# KiCad board TRX055.01.01.PB.00.00.kicad_pcb (continued)
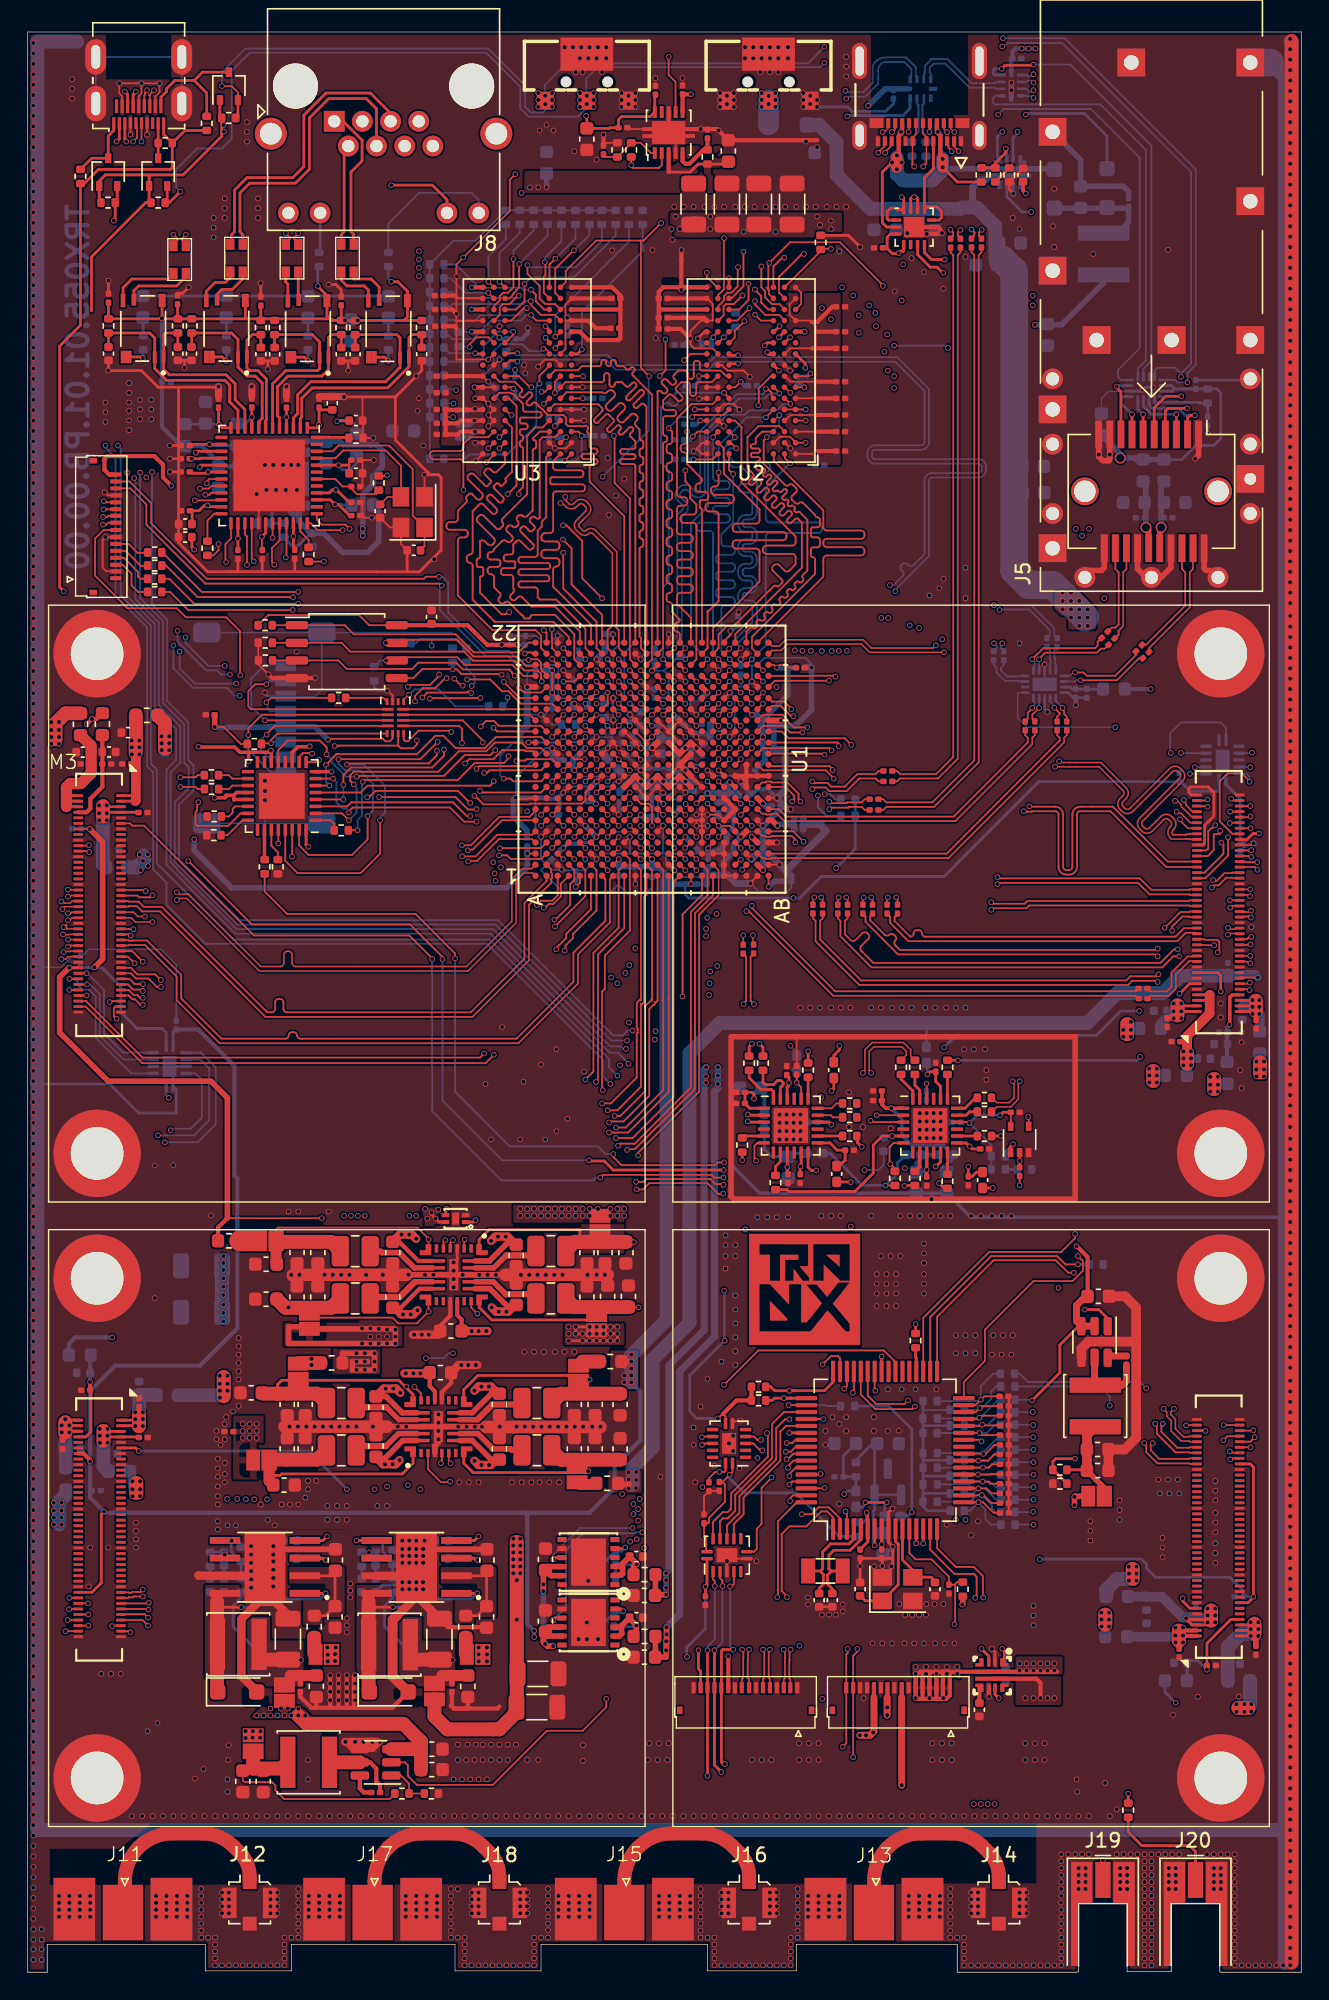
[diagram p0: board, top side]
## Routing (per net, layer and track width the routed paths; a pad name or vN(x,y) marks a point on that pad's centre or on a via; arc(x,y) is an arc through that point) (continued)
  In4.Cu w0.127: v1(57.25,119.9) v1(52.03,119.9) 45.34,119.9 arc(45.26,119.87) 45.23,119.78 arc(45.19,119.7) 45.11,119.67 44.74,119.67 arc(44.66,119.7) 44.63,119.78 44.63,120.02 arc(44.59,120.1) 44.51,120.13 44.14,120.13 arc(44.06,120.1) 44.03,120.02 44.03,119.78 arc(43.99,119.7) 43.91,119.67 43.54,119.67 arc(43.46,119.7) 43.43,119.78 43.43,120.02 arc(43.39,120.1) 43.31,120.13 42.94,120.13 arc(42.86,120.1) 42.83,120.02 42.83,119.78 arc(42.79,119.7) 42.71,119.67 42.34,119.67 arc(42.26,119.7) 42.23,119.78 42.23,120.02 arc(42.19,120.1) 42.11,120.13 41.74,120.13 arc(41.66,120.1) 41.63,120.02 41.63,119.78 arc(41.59,119.7) 41.51,119.67 41.14,119.67 arc(41.06,119.7) 41.03,119.78 41.03,120.02 arc(40.99,120.1) 40.91,120.13 40.54,120.13 arc(40.46,120.1) 40.43,120.02 40.43,119.78 arc(40.39,119.7) 40.31,119.67 39.94,119.67 arc(39.86,119.7) 39.83,119.78 39.83,120.02 arc(39.79,120.1) 39.71,120.13 39.34,120.13 arc(39.26,120.1) 39.23,120.02 39.23,119.78 arc(39.19,119.7) 39.11,119.67 38.74,119.67 arc(38.66,119.7) 38.63,119.78 arc(38.59,119.87) 38.51,119.9 38.14,119.9 arc(38.06,119.87) 38.03,119.78 arc(37.99,119.7) 37.91,119.67 37.54,119.67 arc(37.46,119.7) 37.43,119.78 arc(37.39,119.87) 37.31,119.9 36.01,119.9
  Bottom w0.127: R13.1 30.72,119.05 30.82,118.95 32.19,118.95 32.63,119.38 35.45,119.38 v1(35.97,119.9)
/ZynqDDR/DDR_A13: length 89.3
  Top w0.127: v1(38.03,123.46) 37.61,123.05 37.61,121.4 ; v1(54.53,123.53) 54.38,123.53 53.75,122.9 U2.T3
  Top w0.2: U1.F19 v1(40.22,93.03)
  In2.Cu w0.127: v1(38.03,123.46) 38.27,123.7 50.17,123.7 50.82,124.35 53.71,124.35 v1(54.53,123.53)
  In4.Cu w0.127: v1(40.22,93.03) 40.63,93.43 40.63,93.95 40.88,94.2 41.19,94.2 41.44,94.45 41.44,94.75 41.93,95.25 42.65,95.25 42.8,95.4 42.8,96.35 46.75,100.3 50.45,100.3 54.77,104.62 55,104.62 57.36,106.98 arc(57.43,107.15) 57.36,107.32 56.25,108.43 arc(56.18,108.6) 56.25,108.77 56.34,108.85 arc(56.51,108.92) 56.67,108.85 59.23,106.29 arc(59.4,106.22) 59.57,106.29 59.66,106.38 arc(59.73,106.55) 59.66,106.72 57.24,109.13 arc(57.17,109.3) 57.24,109.47 57.33,109.56 arc(57.5,109.63) 57.66,109.56 60.08,107.14 arc(60.25,107.07) 60.42,107.14 60.51,107.23 arc(60.58,107.39) 60.51,107.56 59.4,108.67 arc(59.33,108.84) 59.4,109.01 62.85,112.47 62.85,118.65 59,122.5 55.56,122.5 v1(54.53,123.53)
  Bottom w0.127: v1(38.03,123.46) 39.48,124.92 R32.1 ; U1.F19 v1(40.22,93.03)
/ZynqDDR/DDR_A14: length 91.8
  Top w0.127: v1(34,121.8) U3.T7 34.41,121.4
  Top w0.2: U1.G19 v1(41,93.8) ; U2.T7 v1(50.55,122.05)
  In2.Cu w0.1: v1(41,93.8) 41.4,94.21 41.4,95.35 40.9,95.85 40.9,102.9 41.85,103.85 43.2,103.85
  In2.Cu w0.127: 43.2,103.85 46.9,107.55 53.33,107.55 arc(53.5,107.62) 53.57,107.79 53.57,109.89 arc(53.64,110.06) 53.81,110.13 53.93,110.13 arc(54.1,110.06) 54.17,109.89 54.17,107.79 arc(54.24,107.62) 54.41,107.55 55.15,108.29 arc(55.32,108.36) 55.49,108.29 55.63,108.15 arc(55.8,108.08) 55.97,108.15 56.06,108.23 arc(56.13,108.4) 56.06,108.57 55.33,109.3 arc(55.26,109.47) 55.33,109.64 55.41,109.72 arc(55.58,109.8) 55.75,109.72 56,109.48 arc(56.17,109.41) 56.34,109.48 56.8,109.94 56.8,110.62 arc(56.83,110.71) 56.92,110.74 arc(57,110.77) 57.03,110.85 57.03,111.22 arc(57,111.31) 56.92,111.34 56.64,111.34 arc(56.52,111.39) 56.47,111.5 56.47,111.78 arc(56.52,111.89) 56.64,111.94 56.92,111.94 arc(57,111.97) 57.03,112.06 57.03,112.42 arc(57,112.51) 56.92,112.54 56.64,112.54 arc(56.52,112.59) 56.47,112.7 56.47,112.97 arc(56.52,113.09) 56.64,113.14 56.92,113.14 arc(57,113.17) 57.03,113.25 57.03,113.62 arc(57,113.71) 56.92,113.74 56.58,113.74 arc(56.43,113.8) 56.37,113.95 56.37,114.12 arc(56.43,114.28) 56.58,114.34 56.92,114.34 arc(57,114.37) 57.03,114.45 57.03,114.83 arc(57,114.91) 56.92,114.94 arc(56.83,114.97) 56.8,115.06 56.8,115.42 arc(56.83,115.51) 56.92,115.54 arc(57,115.57) 57.03,115.66 57.03,116.03 arc(57,116.11) 56.92,116.14 arc(56.83,116.17) 56.8,116.25 56.8,116.62 arc(56.83,116.71) 56.92,116.74 arc(57,116.77) 57.03,116.85 57.03,117.22 arc(57,117.31) 56.92,117.34 56.36,117.34 arc(56.19,117.41) 56.12,117.58 56.12,117.7 arc(56.19,117.87) 56.36,117.94 56.92,117.94 arc(57,117.97) 57.03,118.06 57.03,118.42 arc(57,118.51) 56.92,118.54 56.21,118.54 arc(56.04,118.61) 55.97,118.78 55.97,118.9 arc(56.04,119.07) 56.21,119.14 56.56,119.14 arc(56.73,119.21) 56.8,119.38 56.12,120.06 arc(55.95,120.13) 55.78,120.06 54.68,118.97 arc(54.51,118.9) 54.34,118.97 54.26,119.05 arc(54.19,119.22) 54.26,119.39 55.84,120.97 arc(55.91,121.14) 55.84,121.31 55.75,121.39 arc(55.58,121.46) 55.41,121.39 53.45,119.43 arc(53.28,119.36) 53.11,119.43 53.02,119.51 arc(52.95,119.68) 53.02,119.85 54.51,121.33 arc(54.58,121.5) 54.51,121.67 54.13,122.05 v1(50.55,122.05) 35.39,122.05 35.12,121.79 34.01,121.79 v1(34,121.8)
  Bottom w0.127: 34,121.92 v1(34,121.8) 34.01,121.81 34.01,123.86 35.47,125.32 R34.1
/ZynqDDR/DDR_BA0: length 97
  Top w0.127: U1.L16 v1(44.2,91.4) ; 38.41,118.2 38.06,117.85 v1(38.02,117.85)
  Top w0.2: U2.M2 v1(54.15,117.8)
  In2.Cu w0.127: v1(44.2,91.4) 45.4,92.6 45.4,93.95 45.15,94.2 45.15,97.45 45.63,97.93 arc(45.78,98) 45.93,97.93 46.09,97.77 arc(46.24,97.71) 46.39,97.77 46.46,97.84 arc(46.52,97.99) 46.46,98.14 46.3,98.3 arc(46.24,98.45) 46.3,98.6 46.37,98.67 arc(46.52,98.73) 46.66,98.67 46.83,98.5 arc(46.98,98.44) 47.12,98.5 47.2,98.58 arc(47.26,98.73) 47.2,98.87 47.03,99.04 arc(46.97,99.18) 47.03,99.33 47.11,99.41 arc(47.25,99.47) 47.4,99.41 47.56,99.24 arc(47.71,99.18) 47.86,99.24 47.93,99.31 arc(47.99,99.46) 47.93,99.61 47.77,99.77 arc(47.71,99.92) 47.77,100.07 47.84,100.14 arc(47.99,100.2) 48.13,100.14 48.3,99.98 arc(48.45,99.91) 48.59,99.98 48.67,100.05 arc(48.73,100.2) 48.67,100.34 48.5,100.51 arc(48.44,100.66) 48.5,100.8 48.58,100.88 arc(48.72,100.94) 48.87,100.88 49.04,100.71 arc(49.18,100.65) 49.33,100.71 49.4,100.78 arc(49.46,100.93) 49.4,101.08 49.24,101.24 arc(49.18,101.39) 49.24,101.54 49.31,101.61 arc(49.46,101.67) 49.61,101.61 49.77,101.45 arc(49.92,101.39) 50.07,101.45 50.14,101.52 arc(50.2,101.67) 50.14,101.81 49.97,101.98 arc(49.91,102.13) 49.97,102.27 50.05,102.35 arc(50.19,102.41) 50.34,102.35 50.51,102.18 arc(50.65,102.12) 50.8,102.18 50.87,102.25 arc(50.94,102.4) 50.87,102.55 50.49,102.93 arc(50.46,103) 50.49,103.07 50.72,103.3 arc(50.79,103.33) 50.86,103.3 arc(50.93,103.27) 51,103.3 51.89,103.3 arc(52.04,103.24) 52.1,103.09 52.1,103.06 arc(52.16,102.91) 52.31,102.85 52.41,102.85 arc(52.56,102.91) 52.62,103.06 52.62,103.09 arc(52.68,103.24) 52.83,103.3 52.93,103.3 arc(53.08,103.24) 53.14,103.09 53.14,103.06 arc(53.2,102.91) 53.35,102.85 53.45,102.85 arc(53.6,102.91) 53.66,103.06 53.66,103.09 arc(53.72,103.24) 53.87,103.3 53.97,103.3 arc(54.12,103.24) 54.18,103.09 54.18,103.06 arc(54.24,102.91) 54.39,102.85 54.49,102.85 arc(54.64,102.91) 54.7,103.06 54.7,103.47 arc(54.75,103.6) 54.88,103.65 55.05,103.65 arc(55.17,103.6) 55.22,103.47 55.22,103.06 arc(55.28,102.91) 55.43,102.85 55.53,102.85 arc(55.68,102.91) 55.74,103.06 55.74,103.47 arc(55.79,103.6) 55.92,103.65 56.09,103.65 arc(56.21,103.6) 56.26,103.47 56.26,103.06 arc(56.32,102.91) 56.47,102.85 56.57,102.85 arc(56.72,102.91) 56.78,103.06 56.78,103.47 arc(56.83,103.6) 56.96,103.65 57.13,103.65 arc(57.25,103.6) 57.3,103.47 57.3,103.06 arc(57.36,102.91) 57.51,102.85 57.61,102.85 arc(57.76,102.91) 57.82,103.06 57.82,103.09 arc(57.88,103.24) 58.03,103.3 58.6,103.3 58.89,103.59 arc(58.95,103.73) 58.89,103.88 58.72,104.05 arc(58.66,104.19) 58.72,104.34 58.8,104.41 arc(58.94,104.48) 59.09,104.41 59.54,103.96 arc(59.69,103.9) 59.83,103.96 59.91,104.05 arc(59.97,104.19) 59.91,104.33 59.46,104.78 arc(59.4,104.93) 59.46,105.08 59.53,105.15 arc(59.68,105.21) 59.83,105.15 60.28,104.7 arc(60.42,104.64) 60.56,104.7 60.65,104.78 arc(60.71,104.92) 60.65,105.06 arc(60.59,105.21) 60.65,105.35 61.05,105.75 61.05,106.41 arc(61.11,106.56) 61.26,106.62 61.34,106.62 arc(61.49,106.68) 61.55,106.83 61.55,106.93 arc(61.49,107.08) 61.34,107.14 60.61,107.14 arc(60.46,107.2) 60.4,107.35 60.4,107.45 arc(60.46,107.6) 60.61,107.66 61.34,107.66 arc(61.49,107.72) 61.55,107.87 61.55,107.97 arc(61.49,108.12) 61.34,108.18 60.61,108.18 arc(60.46,108.24) 60.4,108.39 60.4,108.49 arc(60.46,108.64) 60.61,108.7 61.34,108.7 arc(61.49,108.76) 61.55,108.91 61.55,109.01 arc(61.49,109.16) 61.34,109.22 61.26,109.22 arc(61.11,109.28) 61.05,109.43 61.05,110 60.88,110.17 arc(60.82,110.32) 60.88,110.47 61.01,110.6 arc(61.07,110.74) 61.01,110.89 60.93,110.96 arc(60.79,111.02) 60.64,110.96 60.51,110.83 arc(60.36,110.77) 60.22,110.83 59.81,111.24 59.81,111.75 arc(59.85,111.84) 59.94,111.88 arc(60.03,111.91) 60.06,112 60.06,112.27 arc(60.03,112.36) 59.94,112.4 arc(59.85,112.43) 59.81,112.52 59.81,112.79 arc(59.85,112.88) 59.94,112.92 arc(60.03,112.95) 60.06,113.04 60.06,113.31 arc(60.03,113.4) 59.94,113.44 arc(59.85,113.47) 59.81,113.56 59.81,113.83 arc(59.85,113.92) 59.94,113.96 arc(60.03,113.99) 60.06,114.08 60.06,114.35 arc(60.03,114.44) 59.94,114.48 arc(59.85,114.51) 59.81,114.6 59.81,114.87 arc(59.85,114.96) 59.94,115 arc(60.03,115.03) 60.06,115.12 60.06,115.39 arc(60.03,115.48) 59.94,115.52 arc(59.85,115.55) 59.81,115.64 59.81,115.91 arc(59.85,116) 59.94,116.04 arc(60.03,116.07) 60.06,116.16 60.06,116.43 arc(60.03,116.52) 59.94,116.56 arc(59.85,116.59) 59.81,116.68 59.81,116.95 arc(59.85,117.04) 59.94,117.08 arc(60.03,117.11) 60.06,117.2 60.06,117.47 arc(60.03,117.56) 59.94,117.6 arc(59.85,117.63) 59.81,117.72 59.81,118.02 v1(59.91,118.12)
  In4.Cu w0.127: v1(38.02,117.85) 38.08,117.9 40.84,117.9 41.19,118.25 41.59,118.25 arc(41.76,118.18) 41.83,118.01 41.83,117.99 arc(41.9,117.82) 42.07,117.75 42.19,117.75 arc(42.36,117.82) 42.43,117.99 42.43,118.01 arc(42.5,118.18) 42.67,118.25 53.7,118.25 v1(54.15,117.8) 54.6,118.25 55.25,118.25 55.66,117.84 59.15,117.84 59.43,118.12 v1(59.91,118.12)
  Bottom w0.127: R39.1 43.33,124.68 38.02,119.38 v1(38.02,117.85) ; 44.2,91.43 v1(44.2,91.4)
/ZynqDDR/DDR_BA1: length 96.5
  Top w0.127: 49.78,119 50.16,119.38 50.16,120.02 50.33,120.19 50.9,120.19 v1(51.52,120.81) ; 35.35,120.81 34.73,120.19 34.25,120.19 34.02,119.96 34.02,119.41 33.61,119
  Top w0.2: U1.L17 v1(44.2,92.2)
  In2.Cu w0.127: 44.6,92.6 44.6,94.98 arc(44.64,95.08) 44.75,95.13 arc(44.86,95.17) 44.9,95.28 44.9,95.58 arc(44.86,95.68) 44.75,95.73 44.24,95.73 arc(44.07,95.8) 44,95.97 44,96.09 arc(44.07,96.26) 44.24,96.33 44.75,96.33 arc(44.86,96.37) 44.9,96.48 44.9,96.78 arc(44.86,96.88) 44.75,96.93 arc(44.64,96.97) 44.6,97.08 44.6,98.1 45.06,98.56 arc(45.23,98.63) 45.4,98.56 45.48,98.47 arc(45.65,98.4) 45.82,98.47 45.91,98.56 arc(45.98,98.73) 45.91,98.9 45.43,99.37 arc(45.36,99.54) 45.43,99.71 45.52,99.8 arc(45.69,99.87) 45.86,99.8 46.33,99.32 arc(46.5,99.25) 46.67,99.32 46.76,99.41 arc(46.83,99.58) 46.76,99.75 46.28,100.22 arc(46.21,100.39) 46.28,100.56 46.37,100.65 arc(46.54,100.72) 46.71,100.65 47.18,100.17 arc(47.35,100.1) 47.52,100.17 47.6,100.26 arc(47.67,100.43) 47.6,100.6 47.13,101.07 arc(47.06,101.24) 47.13,101.41 47.22,101.49 arc(47.39,101.56) 47.56,101.49 48.03,101.02 arc(48.2,100.95) 48.37,101.02 48.45,101.1 arc(48.52,101.27) 48.45,101.44 47.98,101.92 arc(47.91,102.09) 47.98,102.26 48.06,102.34 arc(48.23,102.41) 48.4,102.34 48.88,101.87 arc(49.05,101.8) 49.22,101.87 49.3,101.95 arc(49.37,102.12) 49.3,102.29 48.83,102.77 arc(48.76,102.94) 48.83,103.11 48.91,103.19 arc(49.08,103.26) 49.25,103.19 49.73,102.72 arc(49.9,102.65) 50.07,102.72 50.15,102.8 arc(50.22,102.97) 50.15,103.14 50.07,103.23 arc(50,103.4) 50.07,103.57 50.4,103.9 51.05,103.9 arc(51.17,103.85) 51.22,103.72 arc(51.28,103.6) 51.4,103.55 51.65,103.55 arc(51.77,103.6) 51.83,103.72 51.83,104.08 arc(51.88,104.2) 52,104.25 52.25,104.25 arc(52.37,104.2) 52.42,104.08 52.42,103.72 arc(52.48,103.6) 52.6,103.55 52.85,103.55 arc(52.97,103.6) 53.03,103.72 53.03,104.08 arc(53.08,104.2) 53.2,104.25 53.45,104.25 arc(53.57,104.2) 53.62,104.08 53.62,103.72 arc(53.68,103.6) 53.8,103.55 54.05,103.55 arc(54.17,103.6) 54.22,103.72 54.22,104.08 arc(54.28,104.2) 54.4,104.25 54.65,104.25 arc(54.77,104.2) 54.83,104.08 arc(54.88,103.95) 55,103.9 57.95,103.9 60.15,106.1 60.15,109.9 59.45,110.6 59.45,119.9 59.5,119.95 v1(59.5,120.81) ; 44.6,92.6 v1(44.2,92.2) ; 44.6,92.6 44.64,92.64
  In4.Cu w0.127: v1(35.4,120.8) 36.5,120.8 arc(36.67,120.73) 36.74,120.56 36.74,120.38 arc(36.81,120.21) 36.98,120.14 37.1,120.14 arc(37.27,120.21) 37.34,120.38 37.34,121.42 arc(37.41,121.59) 37.58,121.66 37.7,121.66 arc(37.87,121.59) 37.94,121.42 37.94,120.38 arc(38.01,120.21) 38.18,120.14 38.3,120.14 arc(38.47,120.21) 38.54,120.38 38.54,121.42 arc(38.61,121.59) 38.78,121.66 38.9,121.66 arc(39.07,121.59) 39.14,121.42 39.14,121.04 arc(39.21,120.87) 39.38,120.8 40.54,120.8 40.79,120.55 51.26,120.55 v1(51.52,120.81) v1(59.5,120.81) ; 35.35,120.81 35.34,120.8
  Bottom w0.127: v1(35.4,120.8) 35.24,120.64 30.98,120.64 30.56,121.05 R15.1 30.01,121.04
/ZynqDDR/DDR_BA2: length 98
  Top w0.127: v1(37.31,118.59) 37.31,118.58 ; U1.M17 v1(45.8,91.4)
  Top w0.2: U3.M3 37.6,118.3 v1(37.31,118.59) ; v1(54.2,118.6) 53.8,118.2 U2.M3
  In2.Cu w0.127: v1(37.31,118.59) 37.32,118.6 41.43,118.6 arc(41.5,118.63) 41.53,118.69 arc(41.55,118.76) 41.62,118.79 42.03,118.79 arc(42.1,118.76) 42.13,118.69 arc(42.15,118.63) 42.22,118.6 v1(54.2,118.6) ; 61.25,118.5 v1(61.15,118.6) 61.15,113.81 arc(61.11,113.71) 61.02,113.67 arc(60.92,113.64) 60.88,113.54 60.88,113.37 arc(60.92,113.27) 61.02,113.23 arc(61.11,113.2) 61.15,113.1 61.72,112.53 arc(61.85,112.48) 61.97,112.53 62.05,112.61 arc(62.18,112.66) 62.3,112.61 62.36,112.55 arc(62.42,112.43) 62.36,112.3 61.91,111.85 arc(61.86,111.73) 61.91,111.6 61.98,111.54 arc(62.1,111.49) 62.22,111.54 62.68,111.99 arc(62.8,112.04) 62.92,111.99 62.99,111.93 arc(63.04,111.8) 62.99,111.68 62.9,111.6 arc(62.85,111.47) 62.9,111.35 63.25,111 63.25,110.77 arc(63.3,110.65) 63.43,110.6 64.19,110.6 arc(64.32,110.54) 64.37,110.42 64.37,110.33 arc(64.32,110.21) 64.19,110.16 63.43,110.16 arc(63.3,110.1) 63.25,109.98 63.25,109.89 arc(63.3,109.77) 63.43,109.72 64.19,109.72 arc(64.32,109.66) 64.37,109.54 64.37,109.45 arc(64.32,109.33) 64.19,109.28 63.43,109.28 arc(63.3,109.22) 63.25,109.1 63.25,109.01 arc(63.3,108.89) 63.43,108.84 64.19,108.84 arc(64.32,108.78) 64.37,108.66 64.37,108.57 arc(64.32,108.45) 64.19,108.4 63.43,108.4 arc(63.3,108.34) 63.25,108.22 63.25,108.13 arc(63.3,108.01) 63.43,107.96 64.19,107.96 arc(64.32,107.9) 64.37,107.78 64.37,107.69 arc(64.32,107.57) 64.19,107.52 63.43,107.52 arc(63.3,107.46) 63.25,107.34 63.25,107.25 arc(63.3,107.13) 63.43,107.08 64.19,107.08 arc(64.32,107.02) 64.37,106.9 64.37,106.81 arc(64.32,106.69) 64.19,106.64 63.43,106.64 arc(63.3,106.58) 63.25,106.46 63.25,106.37 arc(63.3,106.25) 63.43,106.2 64.19,106.2 arc(64.32,106.14) 64.37,106.02 64.37,105.93 arc(64.32,105.81) 64.19,105.76 62.86,105.76 arc(62.73,105.7) 62.68,105.58 62.68,105.49 arc(62.73,105.37) 62.86,105.32 63.84,105.32 arc(63.97,105.26) 64.02,105.14 64.02,105.05 arc(63.97,104.93) 63.84,104.88 63.43,104.88 arc(63.3,104.82) 63.25,104.7 62.59,104.04 arc(62.54,103.92) 62.59,103.79 62.6,103.78 arc(62.65,103.65) 62.6,103.53 62.54,103.47 arc(62.42,103.42) 62.29,103.47 62.28,103.48 arc(62.15,103.53) 62.03,103.48 61.97,103.42 arc(61.92,103.29) 61.97,103.17 61.98,103.16 arc(62.03,103.03) 61.98,102.91 61.92,102.85 arc(61.79,102.79) 61.67,102.85 61.66,102.86 arc(61.53,102.91) 61.41,102.86 61.35,102.8 arc(61.29,102.67) 61.35,102.55 61.36,102.53 arc(61.41,102.41) 61.36,102.28 61.3,102.22 arc(61.17,102.17) 61.05,102.22 61.03,102.24 arc(60.91,102.29) 60.79,102.24 60.72,102.17 arc(60.67,102.05) 60.72,101.92 60.74,101.91 arc(60.79,101.79) 60.74,101.66 60.67,101.6 arc(60.55,101.55) 60.42,101.6 60.41,101.61 arc(60.29,101.66) 60.16,101.61 59.95,101.4 52.88,101.4 47.04,95.55 47.04,92.05 46.82,91.84 46.24,91.84 v1(45.8,91.4)
  In4.Cu w0.127: v1(61.15,118.6) 59.73,118.6 arc(59.56,118.67) 59.49,118.84 59.49,119.51 arc(59.42,119.68) 59.25,119.75 59.13,119.75 arc(58.96,119.68) 58.89,119.51 58.89,118.34 arc(58.82,118.17) 58.65,118.1 58.53,118.1 arc(58.36,118.17) 58.29,118.34 58.29,118.36 arc(58.22,118.53) 58.05,118.6 57.93,118.6 arc(57.76,118.53) 57.69,118.36 57.69,118.34 arc(57.62,118.17) 57.45,118.1 57.33,118.1 arc(57.16,118.17) 57.09,118.34 57.09,118.36 arc(57.02,118.53) 56.85,118.6 v1(54.2,118.6) ; v1(37.31,118.59) 36.99,118.27 36.42,118.27 35.99,117.84 34.89,117.84 33.56,116.51 33.56,114.45 32.9,113.79 31.04,113.79 30.89,113.94 ; 54.41,118.6 54.3,118.6
  Bottom w0.127: R47.1 30.82,114.05 v1(30.88,114)
/ZynqDDR/DDR_CAS: length 92.7
  Top w0.1: U3.K3 37.6,116.71 37.33,116.97 v1(37.16,116.97)
  Top w0.2: U1.P20 v1(47.4,93.8)
  Top w0.3: U2.K3 53.43,116.6 v1(53.3,116.73)
  In2.Cu w0.127: 57.35,101.1 57.4,101.1 ; 57.35,101.1 60.5,101.1 60.64,101.24 arc(60.77,101.29) 60.9,101.24 61.05,101.09 arc(61.18,101.03) 61.31,101.09 61.37,101.15 arc(61.43,101.28) 61.37,101.41 61.22,101.56 arc(61.17,101.69) 61.22,101.82 61.29,101.89 arc(61.42,101.94) 61.55,101.89 61.91,101.52 arc(62.04,101.47) 62.17,101.52 62.23,101.59 arc(62.29,101.72) 62.23,101.85 61.87,102.21 arc(61.82,102.34) 61.87,102.47 61.94,102.54 arc(62.07,102.59) 62.2,102.54 62.56,102.18 arc(62.69,102.12) 62.82,102.18 62.88,102.24 arc(62.94,102.37) 62.88,102.5 62.52,102.86 arc(62.47,102.99) 62.52,103.12 62.59,103.19 arc(62.72,103.24) 62.85,103.19 63.21,102.83 arc(63.34,102.77) 63.47,102.83 63.54,102.89 arc(63.59,103.02) 63.54,103.15 62.93,103.76 arc(62.88,103.88) 62.93,103.99 63.02,104.09 arc(63.14,104.13) 63.25,104.09 63.86,103.48 arc(63.99,103.42) 64.12,103.48 64.19,103.54 arc(64.24,103.67) 64.19,103.8 63.82,104.16 arc(63.77,104.29) 63.82,104.42 63.89,104.49 arc(64.02,104.54) 64.15,104.49 64.51,104.13 arc(64.64,104.07) 64.77,104.13 64.84,104.19 arc(64.89,104.32) 64.84,104.45 64.47,104.81 arc(64.42,104.94) 64.47,105.07 64.7,105.3 64.7,105.81 arc(64.75,105.94) 64.88,105.99 65.25,105.99 arc(65.38,106.05) 65.43,106.18 65.43,106.27 arc(65.38,106.4) 65.25,106.45 64.88,106.45 arc(64.75,106.51) 64.7,106.64 64.7,106.73 arc(64.75,106.86) 64.88,106.91 65.25,106.91 arc(65.38,106.97) 65.43,107.1 65.43,107.19 arc(65.38,107.32) 65.25,107.37 64.88,107.37 arc(64.75,107.43) 64.7,107.56 64.7,107.65 arc(64.75,107.78) 64.88,107.83 65.25,107.83 arc(65.38,107.89) 65.43,108.02 65.43,108.11 arc(65.38,108.24) 65.25,108.29 64.88,108.29 arc(64.75,108.35) 64.7,108.48 64.7,108.57 arc(64.75,108.7) 64.88,108.75 65.25,108.75 arc(65.38,108.81) 65.43,108.94 65.43,109.03 arc(65.38,109.16) 65.25,109.21 64.88,109.21 arc(64.75,109.27) 64.7,109.4 64.7,109.49 arc(64.75,109.62) 64.88,109.67 65.25,109.67 arc(65.38,109.73) 65.43,109.86 65.43,109.95 arc(65.38,110.08) 65.25,110.13 64.88,110.13 arc(64.75,110.19) 64.7,110.32 64.7,110.55 64.34,110.91 arc(64.3,111.01) 64.34,111.11 arc(64.38,111.21) 64.34,111.31 64.21,111.43 arc(64.11,111.47) 64.01,111.43 63.71,111.13 arc(63.58,111.07) 63.45,111.13 63.38,111.19 arc(63.33,111.32) 63.38,111.45 63.69,111.76 arc(63.73,111.86) 63.69,111.96 63.56,112.08 arc(63.46,112.13) 63.36,112.08 arc(63.26,112.04) 63.17,112.08 63.04,112.21 arc(63,112.31) 63.04,112.41 arc(63.08,112.51) 63.04,112.61 62.91,112.73 arc(62.81,112.78) 62.71,112.73 arc(62.61,112.69) 62.52,112.73 62.39,112.86 arc(62.35,112.96) 62.39,113.06 arc(62.43,113.16) 62.39,113.26 62.26,113.39 arc(62.16,113.43) 62.06,113.39 arc(61.96,113.34) 61.86,113.39 61.53,113.72 61.53,114.23 arc(61.56,114.32) 61.64,114.35 arc(61.72,114.38) 61.75,114.47 61.75,114.69 arc(61.72,114.78) 61.64,114.81 arc(61.56,114.84) 61.53,114.92 61.53,116.17 61.75,116.4 v1(61.75,116.75) ; 57.35,101.1 53.3,101.1 47.9,95.7 47.9,94.3 v1(47.4,93.8)
  In4.Cu w0.127: v1(61.75,116.75) 61.45,116.75 61.43,116.73 60.54,116.73 arc(60.45,116.69) 60.41,116.6 arc(60.38,116.51) 60.29,116.48 59.94,116.48 arc(59.85,116.51) 59.81,116.6 59.81,116.85 arc(59.78,116.94) 59.69,116.98 59.34,116.98 arc(59.25,116.94) 59.21,116.85 59.21,116.6 arc(59.18,116.51) 59.09,116.48 58.74,116.48 arc(58.65,116.51) 58.61,116.6 58.61,116.85 arc(58.58,116.94) 58.49,116.98 58.14,116.98 arc(58.05,116.94) 58.01,116.85 58.01,116.6 arc(57.98,116.51) 57.89,116.48 57.54,116.48 arc(57.45,116.51) 57.41,116.6 57.41,116.85 arc(57.38,116.94) 57.29,116.98 56.94,116.98 arc(56.85,116.94) 56.81,116.85 56.81,116.6 arc(56.78,116.51) 56.69,116.48 56.34,116.48 arc(56.25,116.51) 56.21,116.6 56.21,116.85 arc(56.18,116.94) 56.09,116.98 55.74,116.98 arc(55.65,116.94) 55.61,116.85 55.61,116.6 arc(55.58,116.51) 55.49,116.48 55.14,116.48 arc(55.05,116.51) 55.01,116.6 55.01,116.85 arc(54.98,116.94) 54.89,116.98 54.54,116.98 arc(54.45,116.94) 54.41,116.85 arc(54.38,116.76) 54.29,116.73 v1(53.3,116.73) 53.18,116.85 51.37,116.85 51.35,116.86 51.05,116.86 51.03,116.85 47,116.85 46.16,116.01 38.3,116.01 37.33,116.97 v1(37.16,116.97)
  Bottom w0.127: R9.1 30.58,115.05 30.62,115.02 32.83,115.02 33.56,115.75 33.56,116.76 34.1,117.3 34.97,117.3 34.97,117.3 35.65,117.3 36.16,116.8 36.98,116.8 v1(37.16,116.97)
/ZynqDDR/DDR_CK_E: length 85.4
  Top w0.127: v1(47.31,116.15) 47.76,116.6 U2.K9
  Top w0.2: v1(32.25,116.65) 32.3,116.6 U3.K9 ; U1.T19 v1(49,93)
  In2.Cu w0.127: v1(62.45,115) 64.7,115 67.1,112.6 67.1,103.42 66.58,102.9 arc(66.51,102.73) 66.58,102.56 66.59,102.55 arc(66.66,102.38) 66.59,102.21 66.51,102.13 arc(66.34,102.06) 66.17,102.13 66.16,102.14 arc(65.99,102.21) 65.82,102.14 65.73,102.06 arc(65.66,101.89) 65.73,101.72 65.74,101.7 arc(65.82,101.53) 65.74,101.36 65.66,101.28 arc(65.49,101.21) 65.32,101.28 65.31,101.29 arc(65.14,101.36) 64.97,101.29 64.88,101.21 arc(64.81,101.04) 64.88,100.87 64.9,100.85 arc(64.97,100.68) 64.9,100.51 64.81,100.43 arc(64.64,100.36) 64.47,100.43 64.46,100.44 arc(64.29,100.51) 64.12,100.44 64.03,100.36 arc(63.96,100.19) 64.03,100.02 64.05,100.01 arc(64.12,99.84) 64.05,99.67 63.96,99.58 arc(63.79,99.51) 63.62,99.58 63.61,99.6 arc(63.44,99.67) 63.27,99.6 62.81,99.14 62.4,99.14 62.4,99.14 62.21,99.14 arc(62.05,99.2) 61.98,99.36 arc(61.92,99.52) 61.76,99.59 61.61,99.59 arc(61.45,99.52) 61.38,99.36 61.38,98.63 arc(61.31,98.46) 61.14,98.39 61.02,98.39 arc(60.85,98.46) 60.78,98.63 60.78,98.9 arc(60.71,99.07) 60.54,99.14 60.42,99.14 arc(60.25,99.07) 60.18,98.9 60.18,98.63 arc(60.11,98.46) 59.94,98.39 59.82,98.39 arc(59.65,98.46) 59.58,98.63 59.58,98.9 arc(59.51,99.07) 59.34,99.14 59.22,99.14 arc(59.05,99.07) 58.98,98.9 58.98,98.63 arc(58.91,98.46) 58.74,98.39 58.62,98.39 arc(58.45,98.46) 58.38,98.63 58.38,98.9 arc(58.31,99.07) 58.14,99.14 58.02,99.14 arc(57.85,99.07) 57.78,98.9 57.78,98.63 arc(57.71,98.46) 57.54,98.39 57.42,98.39 arc(57.25,98.46) 57.18,98.63 57.18,98.9 arc(57.11,99.07) 56.94,99.14 56.82,99.14 arc(56.65,99.07) 56.58,98.9 56.58,98.63 arc(56.51,98.46) 56.34,98.39 56.22,98.39 arc(56.05,98.46) 55.98,98.63 55.98,98.9 arc(55.91,99.07) 55.74,99.14 55.54,99.14 54.8,98.4 54.8,98.28 51.48,94.96 50.45,94.96 50.24,94.75 50.24,94.45 49.99,94.2 49.68,94.2 49,93.52 v1(49,93) ; 32.2,116.65 32.59,117.04 35.86,117.04 36.69,116.2 40.62,116.2 arc(40.78,116.13) 40.84,115.97 arc(40.91,115.82) 41.07,115.75 41.22,115.75 arc(41.38,115.82) 41.44,115.97 arc(41.51,116.13) 41.67,116.2 43.71,116.2 arc(43.79,116.23) 43.83,116.31 arc(43.86,116.4) 43.94,116.43 44.31,116.43 arc(44.39,116.4) 44.43,116.31 44.43,116.06 arc(44.47,115.96) 44.57,115.92 44.89,115.92 arc(44.99,115.96) 45.03,116.06 arc(45.07,116.16) 45.17,116.2 47.26,116.2 v1(47.31,116.15)
  In4.Cu w0.127: v1(47.31,116.15) 47.61,116.45 49.05,116.45 50,115.5 51.5,115.5 52.2,116.2 62,116.2 62.45,115.75 v1(62.45,115)
  Bottom w0.127: 30.04,117.05 R42.1 ; R42.1 30,117.06 ; R42.1 30.4,116.65 v1(32.25,116.65)
/ZynqDDR/DDR_CK_N: length 85.2
  Top w0.127: 34.41,116.6 34.46,116.65 v1(35.3,116.65)
  Top w0.2: v1(51.2,116.5) 50.65,116.5 U2.K7 ; U1.N18 v1(46.6,92.2)
  In4.Cu w0.106: v1(46.6,92.2) 46.85,92.45 47.08,92.45 47.27,92.63 47.56,92.63 47.77,92.84 47.77,93.13 48.55,93.92 48.55,95.34 49.12,95.9 53.32,95.9 56.66,99.25 62.3,99.25 v1(62.55,99.5)
  Bottom w0.124: R48.1 34.6,116.65 v1(35.3,116.65) 35.44,116.51 41.8,116.51 42.53,115.79 48.92,115.79 49.5,116.36 62.67,116.36 64.96,114.07 64.96,110.25 arc(64.8,109.86) 64.4,109.69 61.09,109.69 arc(60.92,109.62) 60.85,109.45 60.85,109.25 arc(60.92,109.09) 61.09,109.02 68.51,109.02 arc(68.91,108.85) 69.08,108.45 69.08,108.25 arc(68.91,107.86) 68.51,107.69 65.2,107.69 arc(65.03,107.62) 64.96,107.45 64.96,102.03 62.55,99.62 v1(62.55,99.5)
/ZynqDDR/DDR_CK_P: length 85.3
  Top w0.127: 34.41,115.8 34.76,116.15 35.2,116.15 v1(35.3,116.05) ; v1(46.57,93.03) 46.6,93
  Top w0.2: U1.N19 v1(46.57,93.03) ; U2.J7 50.65,115.9 v1(51.2,115.9)
  In4.Cu w0.106: v1(46.57,93.03) 46.85,92.75 46.92,92.75 47.06,92.89 47.06,93.13 47.27,93.34 47.51,93.34 48.25,94.08 48.25,95.46 48.99,96.21 53.19,96.21 56.54,99.55 61.99,99.55 61.99,99.79 v1(62.15,99.95)
  Bottom w0.124: v1(62.15,99.95) 62.16,99.96 62.43,99.96 63.07,100.6 arc(63.14,100.77) 63.07,100.94 62.97,101.04 arc(62.9,101.21) 62.97,101.38 63.06,101.47 arc(63.23,101.54) 63.4,101.47 63.5,101.37 arc(63.67,101.3) 63.84,101.37 64.64,102.17 64.64,107.45 arc(64.8,107.85) 65.2,108.02 68.51,108.02 arc(68.68,108.09) 68.75,108.25 68.75,108.45 arc(68.68,108.62) 68.51,108.69 61.09,108.69 arc(60.69,108.86) 60.52,109.25 60.52,109.45 arc(60.69,109.85) 61.09,110.02 64.4,110.02 arc(64.57,110.09) 64.64,110.25 64.64,113.93 62.53,116.04 49.63,116.04 49.06,115.46 42.4,115.46 41.67,116.19 35.44,116.19 v1(35.3,116.05) 34.8,116.05 R48.2
  Bottom w0.2: 34.54,115.74 34.45,115.74
